# Altium PCB Audio_PCB.PcbDoc (part 1 of 2)
Units mm, origin at the board's own origin, x right, y up, seen from the top; angles counter-clockwise.
Board outline 165.1 x 125.35 mm, 4 copper layers (Top Layerr(SIG), Layer 2(GND), Layer 3(GND), Bottom Layer(SIG)), stack 1.56 mm thick; 101 components, 115 nets, 454 pads, 282 vias.
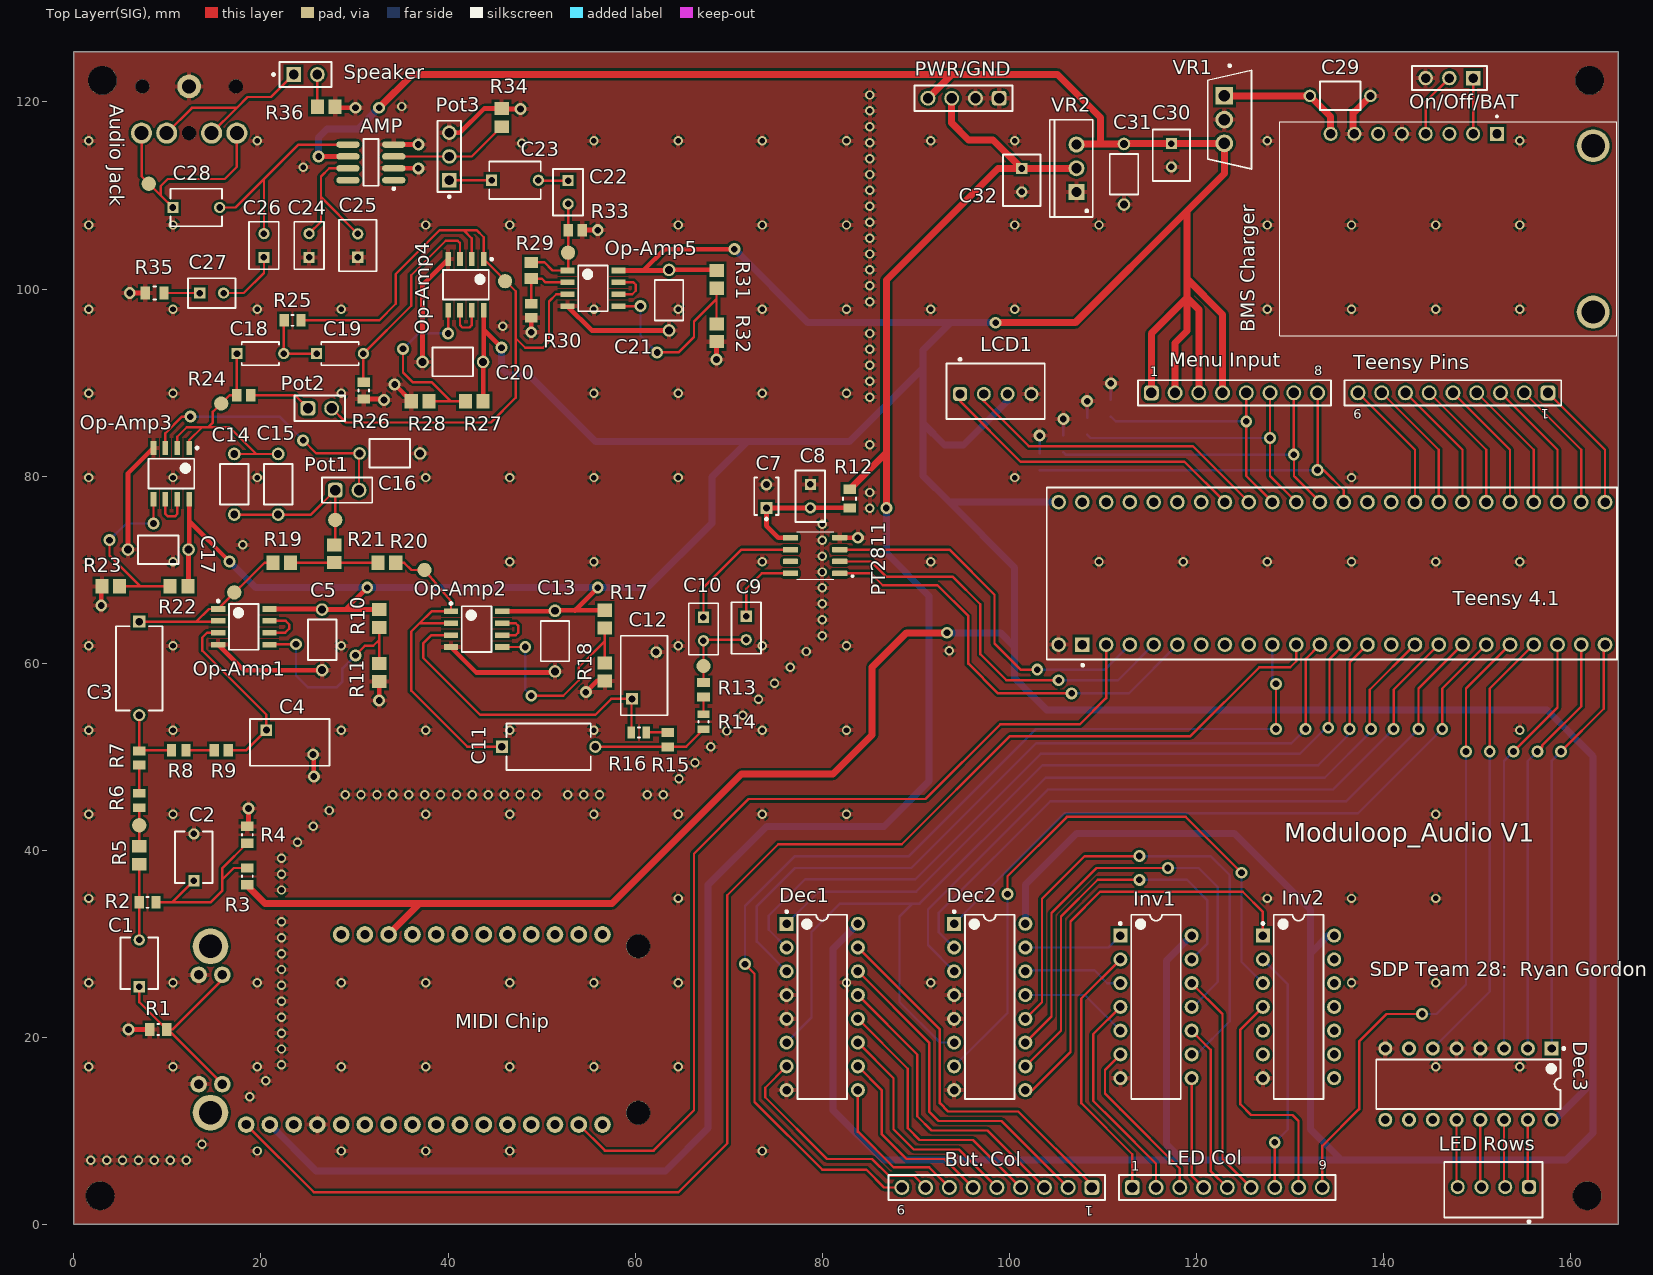
[diagram p0: Top Layerr(SIG) view]
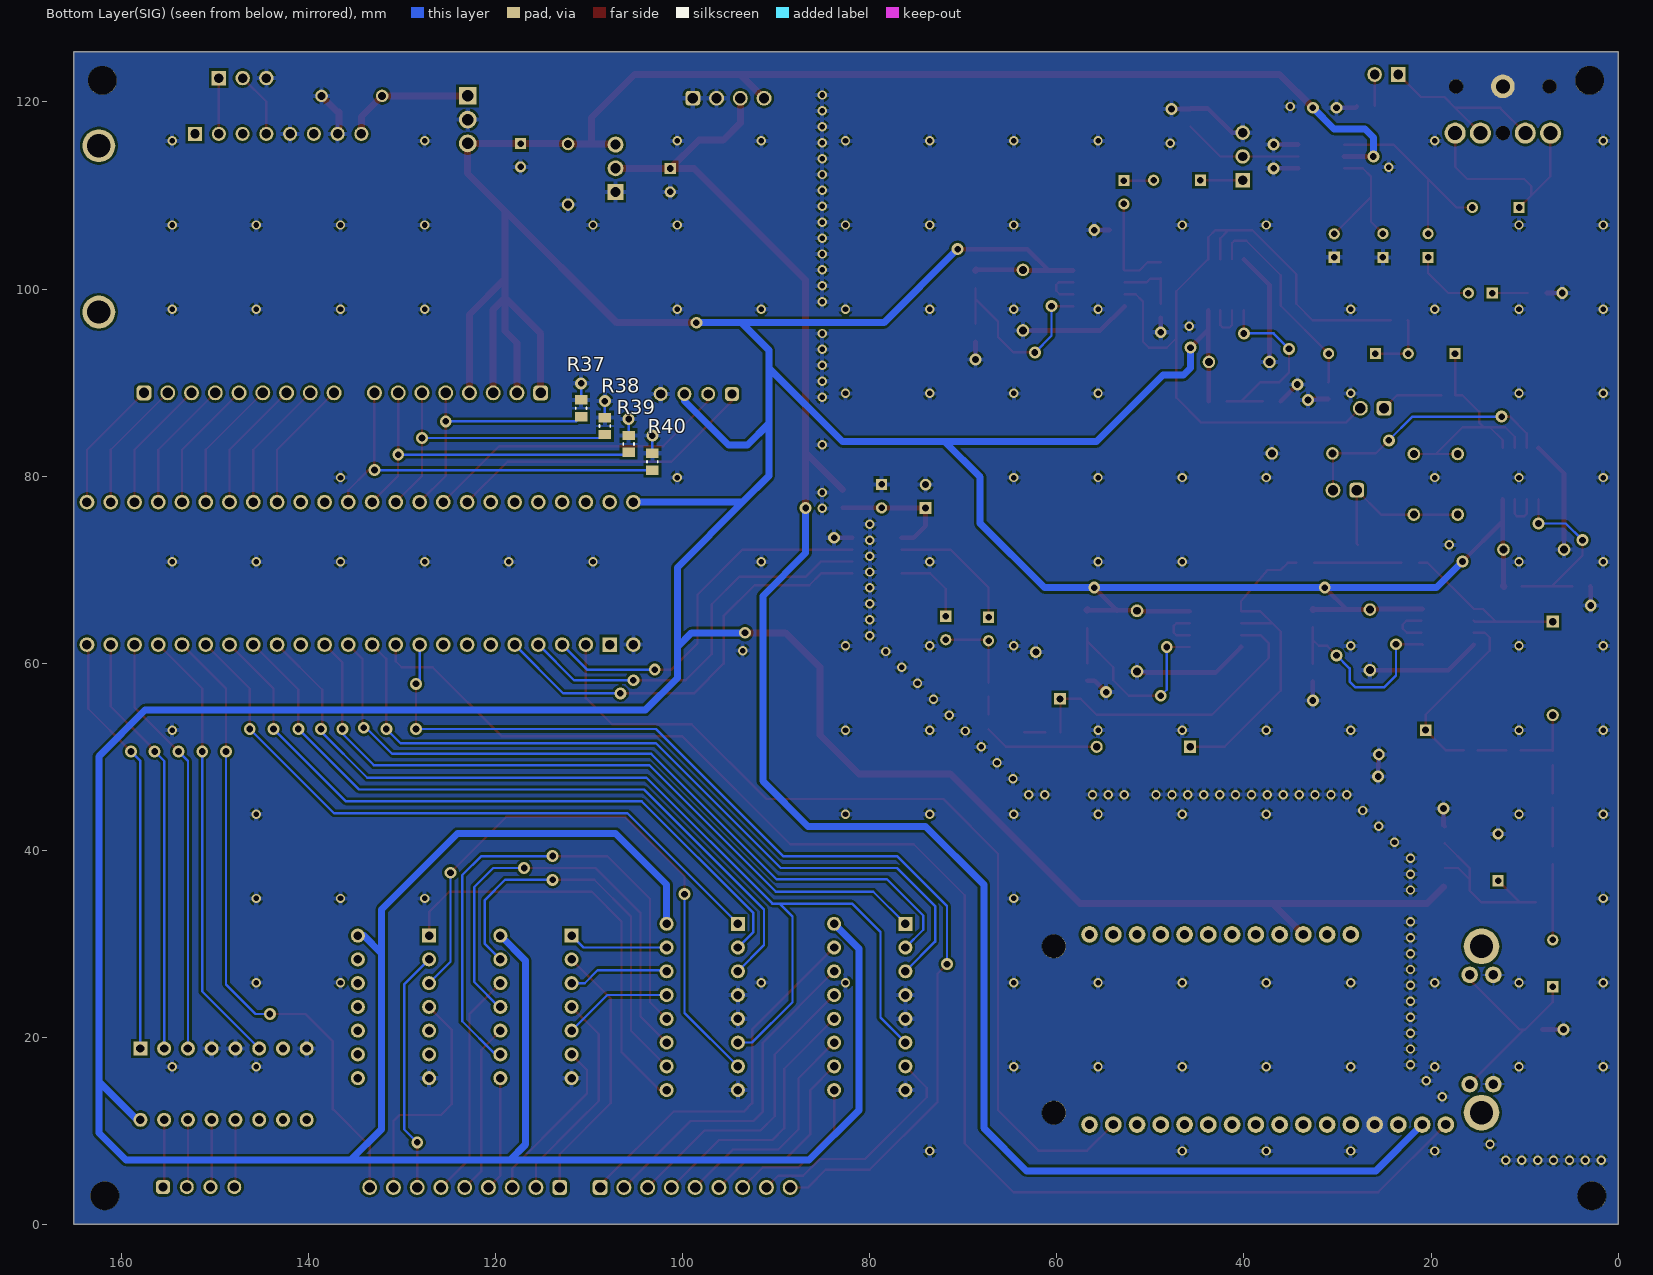
[diagram p1: Bottom Layer(SIG) view, seen from below]
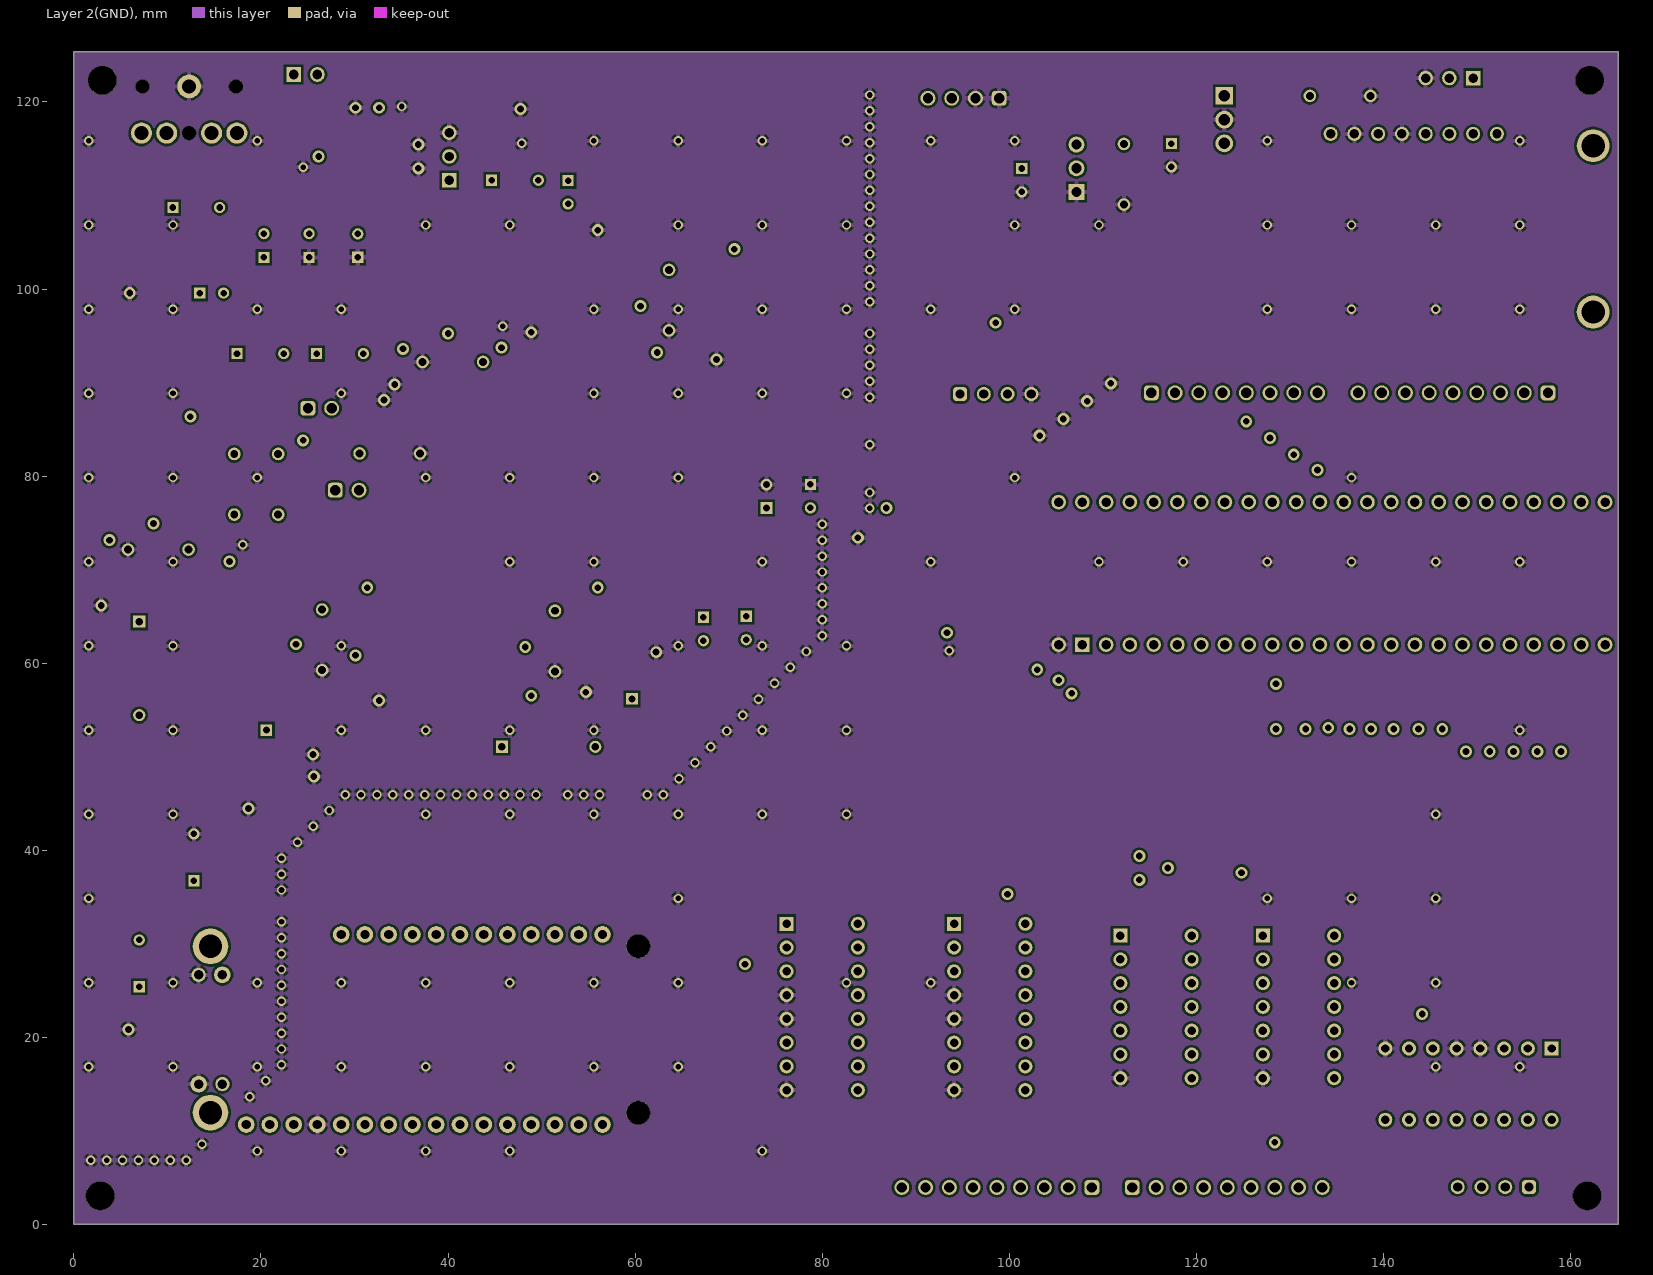
[diagram p2: Layer 2(GND)]
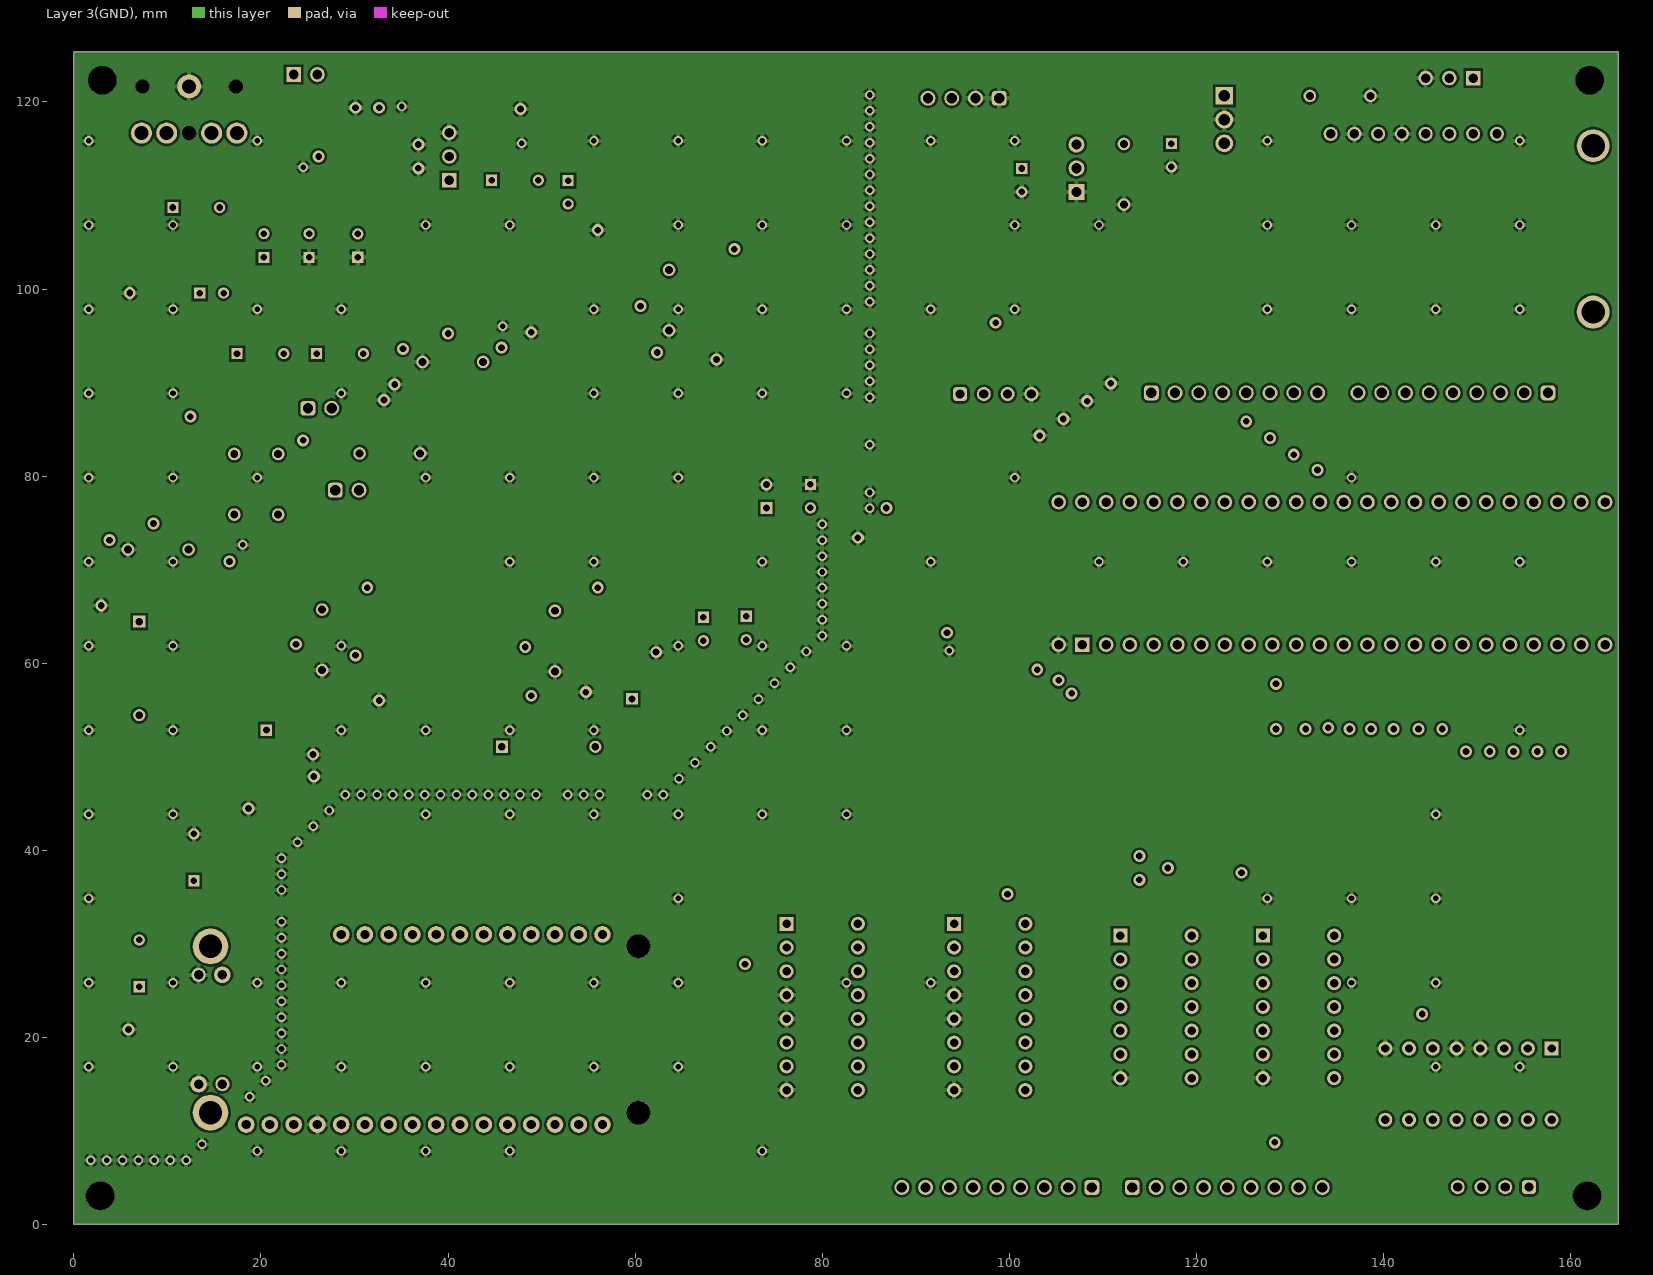
[diagram p3: Layer 3(GND)]

## Layer stack, top to bottom
Top Solder: solder mask 0.0102, Solder Resist, Dk 3.5
Top Layerr(SIG): signal copper 0.0356
Dielectric 2: prepreg 0.2134, PP-006, Dk 4.1
Layer 2(GND): signal copper 0.0356
Dielectric 1: dielectric 0.9906, FR-4, Dk 4.8
Layer 3(GND): signal copper 0.0356
Dielectric 3: prepreg 0.2134, PP-006, Dk 4.1
Bottom Layer(SIG): signal copper 0.0356
Bottom Solder: solder mask 0.0102, Solder Resist, Dk 3.5

## Board outline
0,0 165.1,0 165.1,125.349 0,125.349

## Design rules (kind name [scope] priority, off if disabled: settings)
Clearance [All] p1: gap=0.254 ignorepadtopadclearanceinfootprint=TRUE except(0: Arc-Hole Track-Hole SMDPad-Hole THPad-Hole Via-Hole Fill-Hole Poly-Hole Region-Hole Text-Hole; 0.2: THPad-THPad)
HoleSize [All] p1: absolutevalues=TRUE maxlimit=3.5 minlimit=0.025 maxpercent=80.000 minpercent=20.000
MinimumSolderMaskSliver [All] p1: minsoldermaskwidth=0.2
PolygonConnect [All] p1: connectstyle=Relief reliefconductorwidth=0.5 reliefentries=4 polygonreliefangle="90 Angle" airgapwidth=0.254
RoutingVias [All] p1: holewidth=0.711 width=1.27 viastyle="Through Hole" minholewidth=0 minwidth=1 maxholewidth=3.5 maxwidth=3.5
SilkToSolderMaskClearance [IsPad] p1: minsilkscreentomaskgap=0.2 clearancetoexposedcopper=TRUE
SolderMaskExpansion [All] p1: expansion=0.102 istentingtop=FALSE
Width Width_1 [(InNet('3.3V') OR InNet('+5') OR InNet('GND') OR InNet('NETBMS Charger_8') OR InNet('NetC7_1'))] p1: maxlimit=0.75 minlimit=0.254 preferedwidth=0.75 midlayer1_maxwidth=0.254 midlayer1_prefwidth=0.254 midlayer2_maxwidth=0.254 midlayer2_prefwidth=0.254 minimp=50.000000 maximp=50.000000 favimp=50.000000
Width [All] p2: maxlimit=0.254 minlimit=0.2 preferedwidth=0.254 minimp=50.000000 maximp=50.000000 favimp=50.000000
27 further rules are at their usual default settings.

## Classes and differential pairs
component class "Mixer to LP-HP Filter": C14 C15 C16 C17 C18 C19 C20 C21 Op-Amp3 Op-Amp4 Op-Amp5 Pot1 Pot2 R19 R20 R21 R22 R23 R24 R25 R26 R27 R28 R29 R30 R31 R32
component class MIDI: C1 C2 C3 C4 C5 "MIDI Chip" Op-Amp1 R1 R2 R3 R4 R5 R6 R7 R8 R9 R10 R11
component class LCD-Battery: "BMS Charger" C29 C30 C31 C32 LCD1 "Menu Input" On/Off/BAT PWR/GND R37 R38 R39 R40 "Teensy Pins" VR1 VR2
component class "DAC To LP Filter": C7 C8 C9 C10 C11 C12 C13 DAC Op-Amp2 PT2811 R12 R13 R14 R15 R16 R17 R18
component class "Button Decoding": "But. Col" Dec1 Dec2 Dec3 Inv1 Inv2 "LED Col" "LED Rows"
component class Audio_Moduloop: "Teensy 4.1"
component class Amplifier: AMP "Audio Jack" C22 C23 C24 C25 C26 C27 C28 Pot3 R33 R34 R35 R36 Speaker

## Components (designator, comment, footprint, x,y, rotation, side; value= is the part's Value field where it differs from the comment)
AMP "LM386M-1" TI-D8_M 31.75,113.538 r180 top (schematic designator Amp)
"Audio Jack" "STX-3120-3B" STX3100 12.419,124.366 r270 top
"BMS Charger" "BMS Charger" MODULE_2465 146.939,106.426 r180 top
"But. Col" "Button_Col" 61300911121 98.679,3.937 r180 top
C1 "22 uf" FP-RCEWM1-MFG 6.985,27.9 r90 top
C2 "22 uf" FP-RCEWM1-MFG 12.827,39.243 r90 top
C3 "1000 pf" FP-VY1102M35Y5UQ6TV0-MFG 6.985,59.436 r270 top
C4 "470 pf" FP-F471K33Y5RP6UK5R-MFG 23.074,51.532 r0 top
C5 "0.1 uf" AVX-SA115C104KAR 26.543,62.484 r270 top
C7 "0.1 uf" VISH-K104K15X7RF5TL2 74.041,77.831 r90 top
C8 "47 uf" FP-RCE2A2-MFG 78.74,77.851 r270 top
C9 "47 uf" FP-RCE2A2-MFG 71.882,63.754 r270 top
C10 "47 uf" FP-RCE2A2-MFG 67.31,63.647 r270 top
C11 "1000 pf" FP-VY1102M35Y5UQ6TV0-MFG 50.753,51.054 r0 top
C12 "470 pf" FP-F471K33Y5RP6UK5R-MFG 60.96,58.674 r90 top
C13 "0.1 uf" AVX-SA115C104KAR 51.435,62.357 r270 top
C14 "0.1 uf" AVX-SA115C104KAR 17.145,79.121 r90 top
C15 "0.1 uf" AVX-SA115C104KAR 21.844,79.121 r90 top
C16 "0.1 uf" AVX-SA115C104KAR 33.782,82.423 r180 top
C17 "0.1 uf" AVX-SA115C104KAR 9.017,72.136 r0 top
C18 "0.047 uf" FP-RCE1K1-2_5-MFG 19.939,93.091 r0 top
C19 "0.047 uf" FP-RCE1K1-2_5-MFG 28.448,93.091 r0 top
C20 "0.1 uf" AVX-SA115C104KAR 40.513,92.202 r0 top
C21 "0.1 uf" AVX-SA115C104KAR 63.627,98.806 r90 top
C22 "1uf" FP-K105Z20Y5VF5TL2-MFG 52.832,110.343 r270 top value=1uF
C23 "22 uf" FP-RCEWM1-MFG 47.157,111.633 r0 top
C24 "0.1uf" FP-SR20-MFG 25.146,104.648 r90 top value=100nF
C25 "10uf" FP-RCE3DB-MFG 30.353,104.648 r90 top
C26 "0.1uf" FP-SR20-MFG 20.32,104.648 r90 top value=100nF
C27 "0.1uf" FP-SR20-MFG 14.732,99.568 r0 top value=100nF
C28 "220 uf" FP-RCEWM1-MFG 13.081,108.712 r0 top
C29 "0.1 uf" AVX-SA115C104KAR 135.382,120.65 r0 top
C30 "10 uf" FP-RCE3DB-MFG 117.348,114.3 r270 top
C31 "0.1 uf" AVX-SA115C104KAR 112.268,112.268 r90 top
C32 "10 uf" FP-RCE3DB-MFG 101.346,111.633 r270 top
Dec1 "SN74HC138N" N0016A 80.01,23.241 r0 top
Dec2 "SN74HC138N" N0016A 97.917,23.241 r0 top
Dec3 "SN74HC138N" N0016A 149.098,14.986 r270 top
Inv1 "Inv1" N0014A 115.697,23.241 r0 top
Inv2 "Inv2" N0014A 130.937,23.241 r0 top
LCD1 "screen pinout" 61900411121 98.552,89.073 r180 top
"LED Col" "LED_Col" 61300911121 123.317,3.937 r0 top
"LED Rows" "Decoder3" 61900411121 151.765,3.683 r0 top
"Menu Input" "61300811121" 61300811121 124.079,88.9 r0 top
"MIDI Chip" "1381" FEATHERWING 12.065,9.398 r0 top
On/Off/BAT "TSW-103-07-F-S" SMTC-TSW-103-07-X-S 149.606,122.555 r180 top
Op-Amp1 "NE5532-A" ONSC-SOIC-8-751-07_V 18.161,63.881 r0 top
Op-Amp2 "NE5532-A" ONSC-SOIC-8-751-07_V 43.053,63.627 r0 top
Op-Amp3 "NE5532" ONSC-SOIC-8-751-07_V 10.414,80.264 r270 top
Op-Amp4 "NE5532" ONSC-SOIC-8-751-07_V 41.91,100.457 r270 top
Op-Amp5 "NE5532AD8R2G" ONSC-SOIC-8-751-07_V 55.499,100.076 r0 top
Pot1 "10k" 61300211121 29.21,78.486 r0 top
Pot2 "10k" 61300211121 26.289,87.249 r0 top
Pot3 "10k Pot." FP-90120-0123-MFG 40.132,114.173 r90 top
PT2811 "PT8211 DAC" SOIC127P602X173-8N 79.248,71.501 r180 top
PWR/GND "61300411121" 61300411121 95.123,120.396 r180 top
R1 "10k" RESC2013X60X35NL10T20 9.017,20.828 r180 top
R2 "10k" RESC2013X60X35NL10T20 7.874,34.417 r0 top
R3 "10k" RESC2013X60X35NL10T20 18.542,37.2 r90 top
R4 "10k" RESC2013X60X35NL10T20 18.542,41.645 r90 top
R5 "1k" RESC2013X70X40ML20T20 6.985,39.456 r90 top
R6 "6.8k" RESC2013X70X40LL20T20 6.985,45.311 r90 top
R7 "1.5k" RESC2013X60X40LL20T25 6.985,49.858 r90 top
R8 "6.8k" RESC2013X70X40LL20T20 11.189,50.673 r0 top
R9 "1.5k" RESC2013X60X40LL20T25 15.749,50.673 r0 top
R10 "100" RESC2013X60X40ML20T25 32.639,64.77 r90 top
R11 "100" RESC2013X60X40ML20T25 32.639,58.989 r90 top
R12 "10" FP-RN732A-MFG 82.931,77.581 r90 top value=10Ω
R13 "6.8k" RESC2013X70X40LL20T20 67.31,57.15 r270 top
R14 "1.5k" RESC2013X60X35LL10T20 67.31,53.721 r270 top
R15 "6.8k" RESC2013X70X40LL20T20 63.5,51.816 r90 top
R16 "1.5k" RESC2013X60X35LL10T20 60.414,52.578 r180 top
R17 "100" RESC2013X60X40ML20T25 56.769,64.704 r90 top
R18 "100" RESC2013X60X40ML20T25 56.769,59.055 r90 top
R19 "100" RESC2013X60X40ML20T25 22.225,70.739 r0 top
R20 "100" RESC2013X60X40ML20T25 33.462,70.739 r180 top
R21 "100" RESC2013X60X40ML20T25 27.813,71.689 r270 top
R22 "100" RESC2013X60X40ML20T25 11.242,68.199 r180 top
R23 "100" RESC2013X60X40ML20T25 3.937,68.199 r0 top
R24 "380" RESC2013X60X40LL20T25 18.161,88.646 r0 top
R25 "20k" RESC2013X60X35NL10T20 23.379,96.647 r0 top
R26 "10k" RESC2013X60X35NL10T20 30.988,89.143 r270 top
R27 "100" RESC2013X60X40ML20T25 42.799,88.011 r180 top
R28 "100" RESC2013X60X40ML20T25 37.018,88.011 r0 top
R29 "470" RESC2013X60X40NL20T25 48.895,101.981 r90 top
R30 "320" RESC2013X60X40LL20T25 48.895,97.675 r270 top
R31 "100" RESC2013X60X40ML20T25 68.707,101.026 r270 top
R32 "100" RESC2013X60X40ML20T25 68.707,95.316 r270 top
R33 "1.5k" RESC2013X60X40LL20T25 53.594,106.299 r180 top
R34 "1k" RESC2013X70X40ML20T20 45.72,118.323 r90 top
R35 "10" FP-RN732A-MFG 8.636,99.568 r180 top value=10Ω
R36 "100" RESC2013X60X40ML20T25 26.985,119.507 r180 top
R37 "10k" RESC2013X60X35NL10T20 110.871,87.249 r90 bottom
R38 "10k" RESC2013X60X35NL10T20 108.331,85.344 r90 bottom
R39 "10k" RESC2013X60X35NL10T20 105.791,83.439 r90 bottom
R40 "10k" RESC2013X60X35NL10T20 103.251,81.534 r90 bottom
Speaker "M20-9990246" FP-M20-9990246-MFG 24.765,122.936 r0 top
"Teensy 4.1" "DEV-16996" FP-DEV-16996-MFG 134.493,69.596 r0 top
"Teensy Pins" "61300911121" 61300911121 147.447,88.9 r180 top
VR1 "LM2937ET" FP-NDE0003B-MFG 123.571,118.11 r0 top
VR2 "LD1117V33" TO220 107.188,112.903 r90 top

## Footprints (in the part's own frame and the unit in brackets; to place one, negate y for a bottom-side part, rotate by r counter-clockwise, add the part's x,y. Pads: shape width x height; smd on the part's side, far side on the other; paste and mask are expansions set on the pad)
61300211121 [mm] "Pin Header, pitch 2.54 mm, THT, Vertical, single row, 2p"
  rrect50% 1.6x1.6 hole 1.1: 1(-1.27,0)
  round 1.6 hole 1.1: 2(1.27,0)
  silkscreen extent -2.69,-1.35 2.69,1.35, body extent -2.54,-1.27 2.54,1.27, height 8.57
61300411121 [mm] "Pin Header, pitch 2.54 mm, THT, Vertical, single row, 4p"
  rrect50% 1.6x1.6 hole 1.1: 1(-3.81,0)
  round 1.6 hole 1.1: 2(-1.27,0) 3(1.27,0) 4(3.81,0)
  silkscreen extent -5.23,-1.35 5.23,1.35, body extent -5.08,-1.27 5.08,1.27, height 8.57
61300811121 [mm] "Pin Header, pitch 2.54 mm, THT, Vertical, single row, 8p"
  rrect50% 1.6x1.6 hole 1.1: 1(-8.89,0)
  round 1.6 hole 1.1: 2(-6.35,0) 3(-3.81,0) 4(-1.27,0) 5(1.27,0) 6(3.81,0) 7(6.35,0) 8(8.89,0)
  silkscreen extent -10.31,-1.35 10.31,1.35, body extent -10.16,-1.27 10.16,1.27, height 8.57
61300911121 [mm] "Pin Header, pitch 2.54 mm, THT, Vertical, single row, 9p"
  rrect50% 1.6x1.6 hole 1.1: 1(-10.16,0)
  round 1.6 hole 1.1: 2(-7.62,0) 3(-5.08,0) 4(-2.54,0) 5(0,0) 6(2.54,0) 7(5.08,0) 8(7.62,0) 9(10.16,0)
  silkscreen extent -11.58,-1.35 11.58,1.35, body extent -11.43,-1.27 11.43,1.27, height 8.57
61900411121 [mm] "2.54mm Male Locking Header, 4p"
  rrect50% 1.5x1.5 hole 1: 1(3.81,0.3)
  round 1.5 hole 1: 2(1.27,0.3) 3(-1.27,0.3) 4(-3.81,0.3)
  silkscreen extent -5.25,-3.52 5.25,2.98, body extent -5.08,-2.9 5.08,2.9, height 11.53
AVX-SA115C104KAR [mm] "THD, 2-Leads, Dia 3.05mm, Body Length 4.32mm"
  round 1.35 hole 0.85: 1(-3.24,0) 2(3.24,0)
  silkscreen extent -2.16,-1.53 2.16,1.53, body extent -3.53,-1.52 3.53,1.52, height 3.05